# Altium PCB JacdacRp2040HostEc30 123.PcbDoc (part 2 of 2)
Units mm, origin at the board's own origin, x right, y up, seen from the top; angles counter-clockwise.
Board outline 36.5 x 25 mm, 2 copper layers (Top Layer, Bottom Layer), stack 1.525 mm thick; 60 components, 49 nets, 217 pads, 20 vias.
Unrouted connection lines stored in the file: 25.
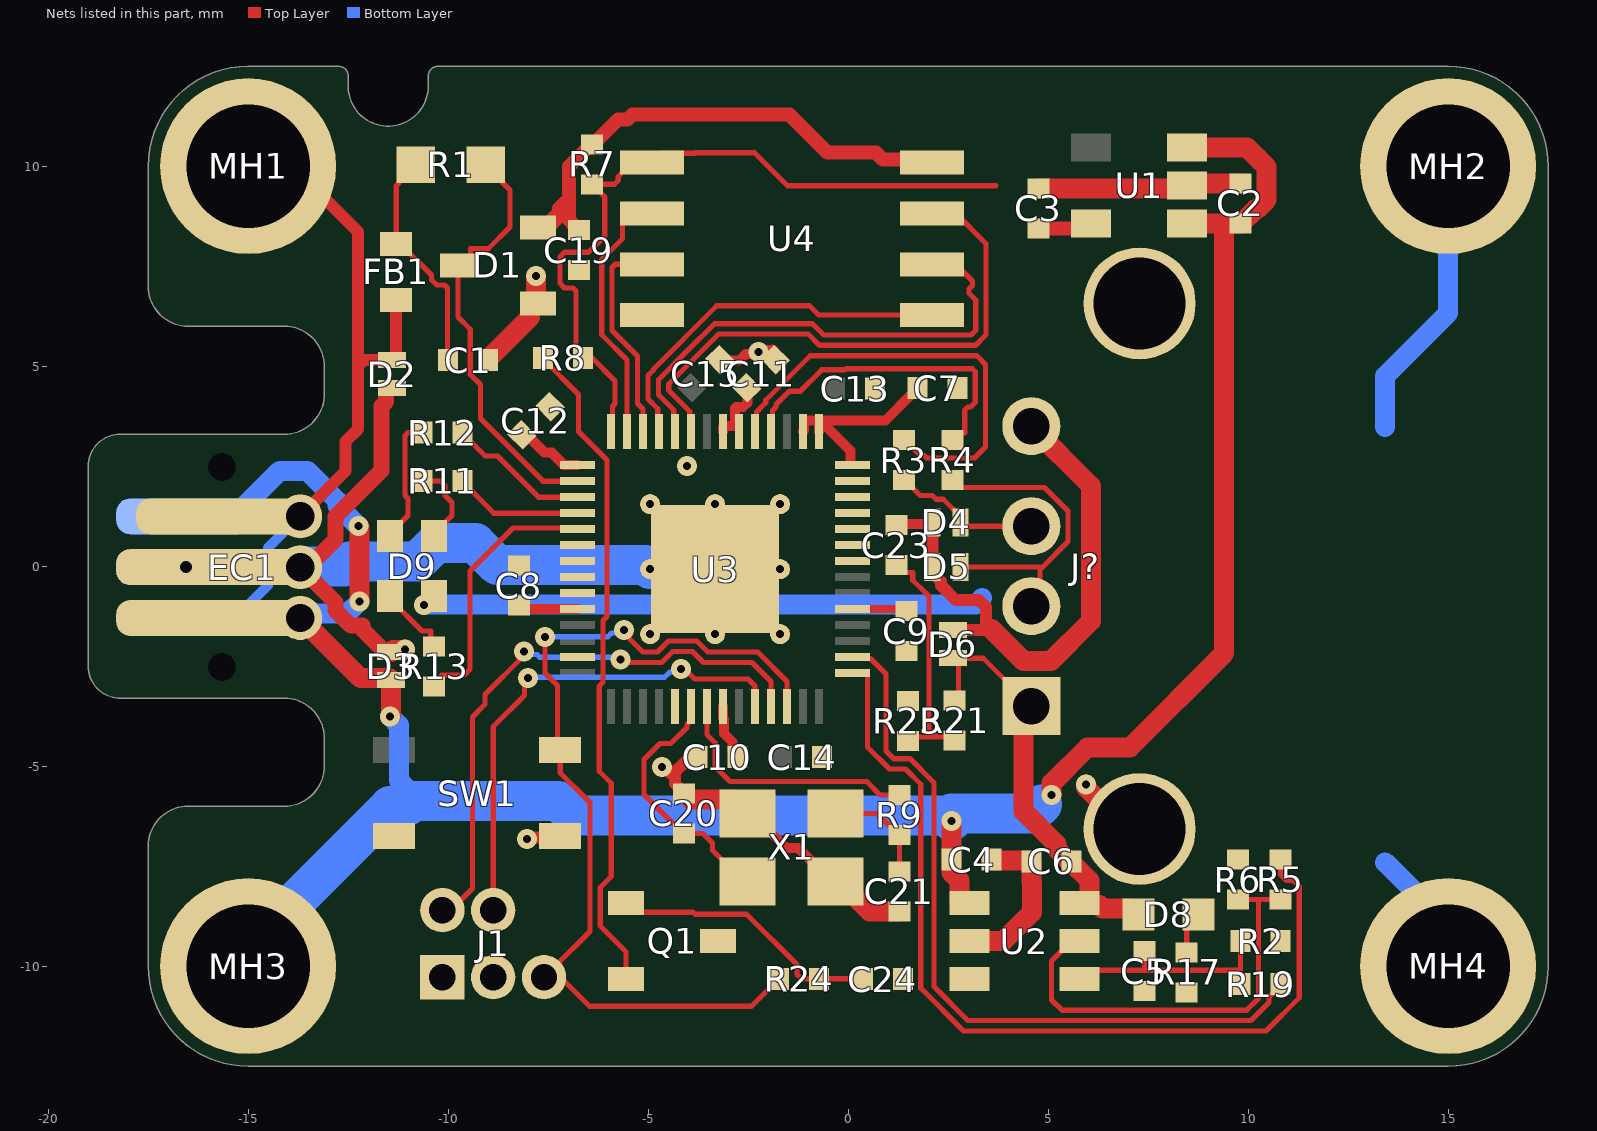
[diagram p2: the nets of this part, all layers, seen from the top]

## Via types
v1: diameter 0.5, hole 0.2, Top Layer to Bottom Layer, 10 vias
v2: diameter 0.5, hole 0.2, Top Layer to Bottom Layer, tented both sides, 9 vias
v3: diameter 0.6, hole 0.3, Top Layer to Bottom Layer, tented both sides, 1 vias

## Nets (pads, with @x,y where several pads share a name; then routed paths per layer and width w, separated by ;. In a path a pad name is that pad's centre, name@x,y a point inside that pad or via, vN(x,y) a via of type N, cw(c..) or ccw(c..) an arc to the next point about the centre after c; other vN are vias at no path point) (continued)
3V3: C3.2 C7.2 C8.2 C9.2 C10.2 C11.2 C12.2 C19.2 D1.2 D9.1 J1.1 R2.1 R7.1 U1.5 U3.1 U3.10 U3.22 U3.33 U3.42 U3.43 U3.44 U3.48 U3.49 U4.8 | length 41.9
  Top Layer w0.2: U3.33@0.109,-1.073 1.4,-1.073 C9.2@1.451,-1.125
  Top Layer w0.25: C8.2@-8.233,-0.982 -8.142,-1.073 U3.10@-6.766,-1.073 ; C12.2@-8.159,3.286 -8.036,3.286 -7.588,2.837 -7.411,2.837 -7.1,2.527 U3.1@-6.766,2.527 ; C19.2@-6.736,8.403 C19.2@-6.736,8.42 ; U3.22@-3.129,-3.511 -3.129,-3.798 -3.104,-3.823 -3.104,-4.185 -2.895,-4.394 -2.895,-4.647 C10.2@-2.77,-4.772 ; U3.49@-3.129,3.364 -3.129,3.481 -3.104,3.506 -2.829,3.506 -2.829,3.952 -2.804,3.977 -2.629,3.977 ; -2.541,4.064 -2.519,4.086 -2.519,4.439 C11.2@-2.537,4.456 ; U3.44@-1.129,3.364 -1.104,3.389 -1.104,3.646 U3.43@-0.728,3.646 ; U3.43@-0.729,3.364 U3.43@-0.729,3.646 ; U3.43@-0.704,3.646 0.931,3.646 1.585,4.3 1.605,4.3 1.73,4.425 C7.2@1.73,4.45 ; U3.42@0.055,2.552 0.055,2.887 -0.657,3.6 -0.682,3.6 U3.43@-0.728,3.646
  Top Layer w0.35: D1.2@-7.756,8.474 D1.2@-7.606,8.474 ; C19.2@-6.736,8.403 -6.761,8.403 -6.836,8.478 -6.836,8.503 -6.983,8.65 -6.983,9.096 ; U4.8@2.092,10.087 2.017,10.162 0.867,10.162 0.692,10.337 -0.514,10.337 -1.474,11.297 -5.388,11.297 -5.513,11.172 -5.753,11.172 -6.378,10.547 -6.428,10.547 -6.983,9.992 -6.983,9.096 ; C3.2@4.753,8.447 5.953,8.447 U1.5@6.07,8.564 ; D1.2@-7.606,8.474 -7.506,8.474 -7.186,8.793 -7.186,8.893 -6.983,9.096 ; D1.2@-7.606,8.474 -7.233,8.846 -7.233,8.948 -7.085,9.096 -6.983,9.096
  Bottom Layer w0.5: v2(-10.607,-0.964) -10.596,-0.953 3.192,-0.953 3.35,-0.795
B\O\O\T\: Q1.2 R8.2 | length 16.8
  Top Layer w0.13: R8.2@-7.635,5.21 -7.635,5.185 -6.742,4.292 -6.742,3.364 -6.034,2.656 -6.034,-1.254 -6.134,-1.354 -6.134,-2.517 -6.134,-2.903 -6.224,-2.993 -6.224,-5.126 -5.924,-5.426 -5.924,-7.76 -6.199,-8.035 -6.199,-8.994 -5.554,-9.639 Q1.2@-5.554,-10.315
GND: C1.1 C2.1 C3.1 C4.1 C5.1 C6.1 C7.1 C8.1 C9.1 C10.1 C11.1 C12.1 C13.1 C14.1 C15.1 C19.1 C20.2 C21.2 C23.1 C24.1 D1.1 D2.2 D3.2 D4.2 D5.2 D6.2 EC1.2 J1.3 J?.4 J?.5 J?.6 MH2.1 MH4.1 Q1.3 R6.1 R17.2 R23.1 SW1.3 SW1.4 U1.2 U2.2 U3.19 U3.57 U4.4 X1.2 X1.4 | length 67.5
  Top Layer w0.25: C15.1@-3.213,5.164 -3.195,5.146 -2.718,5.146 -2.554,5.31 -2.296,5.31 v1(-2.248,5.358) -2.2,5.406 -1.903,5.406 -1.889,5.42 -1.848,5.379 -1.848,5.181 C11.1@-1.83,5.164 ; X1.2@-2.516,-6.18 -2.416,-6.18 -1.546,-7.051 -1.246,-7.051 -0.416,-7.88 X1.4@-0.316,-7.88 ; C23.1@1.205,1.027 1.24,1.061 2.071,1.061 D4.2@2.105,1.095
  Top Layer w0.3: v2(-8.036,-6.817) -8.003,-6.784 -7.233,-6.784 SW1.4@-7.2,-6.751 ; v1(-4.662,-5.018) -4.607,-5.018 -4.461,-5.164 -4.325,-5.164 ; C20.2@-3.932,-5.83 -4.325,-5.437 -4.325,-5.164 ; C10.1@-3.77,-4.772 -3.77,-4.797 -3.87,-4.897 -4.08,-4.897 -4.271,-5.088 -4.283,-5.088 -4.342,-5.147 -4.325,-5.164 ; C9.1@1.451,-2.125 C9.1@1.476,-2.125 ; D4.2@2.105,1.095 D5.2@2.105,-0.016 2.105,-0.167 2.325,-0.387 2.325,-0.482 2.693,-0.85 3.271,-0.85 3.447,-1.026 3.447,-1.433 3.587,-1.573 3.56,-1.6 2.716,-1.6 D6.2@2.616,-1.6
  Top Layer w0.4: D3.2@-11.425,-2.15 -11.575,-2.15 -12.141,-1.584 -12.141,-1.484 -12.436,-1.484 -12.82,-1.1 -12.82,-0.903 EC1.2@-13.7,-0.023 -13.511,-0.023 -12.82,0.667 -12.82,1.24 -11.665,2.396 -11.665,4.002 -11.55,4.117 -11.55,4.45 D2.2@-11.4,4.45
  Top Layer w0.5: D3.2@-11.425,-2.15 -11.375,-2.1 -11.095,-2.1 v2(-11.075,-2.08) ; C1.1@-9.004,5.152 -9.004,5.177 -7.956,6.225 -7.956,6.524 -7.906,6.574 D1.1@-7.756,6.574 -7.806,6.624 v2(-7.806,7.25) ; C20.2@-3.932,-5.83 -2.866,-5.83 X1.2@-2.516,-6.18 ; X1.4@-0.316,-7.88 -0.216,-7.88 0.534,-8.631 C21.2@1.28,-8.631 ; U2.2@3.03,-9.373 3.038,-9.365 3.883,-9.365 4.59,-8.659 4.59,-7.907 4.576,-7.893 4.576,-7.357 3.587,-7.357 C4.1@3.587,-7.333 ; 3.587,-1.573 4.387,-2.373 5.064,-2.373 6.07,-1.367 6.07,2.006 J?.4@4.576,3.5 ; C3.1@4.753,9.447 8.403,9.447 U1.2@8.47,9.514 8.527,9.572 C2.1@9.806,9.572 ; v2(5.945,-5.456) 5.945,-5.53 J?.5@6.35,-5.935
  Bottom Layer w0.5: 13.425,-7.403 15,-8.978 MH4.1@15,-10 ; 13.425,3.485 13.425,4.753 15,6.328 15,8.508 14.254,9.254 MH2.1@15,10
  Bottom Layer w1: EC1.2@-13.7,-0.023 -13.681,-0.004 -12.589,-0.004 -12.464,0.12 -10.767,0.12 -10.31,0.577 -9.321,0.577 -8.771,0.027 -5.054,0.027 U3.57@-4.954,-0.073
  other v3: -16.55,-0.023
GPIO4: U3.6
GPIO5: U3.7
GPIO6: U3.8
GPIO7: U3.9
GPIO10: U3.13
GPIO24: U3.36
GPIO25: U3.37
GPIO26: U3.38
GPIO27: U3.39
GPIO28: U3.40
GPIO29: U3.41
I\L\I\M\_\H\I\: R5.1 U3.29 | length 23
  Top Layer w0.13: U3.29@0.109,-2.673 0.446,-2.673 0.481,-2.708 0.481,-4.524 1.028,-5.071 1.433,-5.071 1.812,-5.449 1.812,-10.548 2.882,-11.618 10.443,-11.618 11.275,-10.786 11.275,-8.002 11.126,-7.854 10.954,-7.854 10.805,-7.705 R5.1@10.805,-7.333
ILIM_EN: R19.2 U3.30 | length 19.1
  Top Layer w0.13: U3.30@0.109,-2.273 0.144,-2.308 0.557,-2.308 0.947,-2.698 0.947,-4.622 1.136,-4.811 1.541,-4.811 2.142,-5.412 2.142,-10.511 2.989,-11.358 10.07,-11.358 10.518,-10.911 10.518,-10.767 10.813,-10.472 R19.2@10.813,-10.447
JD_DATA: D2.1 EC1.1 FB1.1 MH1.1 | length 20.9
  Top Layer w0.3: EC1.1@-15.65,1.247 EC1.1@-13.7,1.247 -12.57,2.376 -12.57,3.11 -12.25,3.43 -12.25,4.325 ; MH1.1@-15,10 -13.15,10 -13.15,9.256 -12.25,8.356 -12.25,5.15 -12.25,4.325 ; FB1.1@-11.3,6.658 -11.3,5.2 -11.35,5.15 D2.1@-11.4,5.15 -12.116,5.15 -12.25,5.016 -12.25,4.325
  Bottom Layer w0.25: EC1.1@-16.325,-1.27 -15.3,-1.27 -14.511,-0.481 -14.511,0.459 EC1.1@-13.7,1.27
JD_DATA_MCU/ICPDA: D1.3 R1.2 U3.2 | length 10.8
  Top Layer w0.13: R1.2@-9.059,10.035 -9.033,10.035 -8.641,9.642 -8.641,9.592 -8.457,9.409 -8.457,8.477 -9.011,7.924 -9.026,7.939 -9.441,7.939 -9.441,7.739 -9.656,7.524 D1.3@-9.756,7.524 -9.756,6.231 -9.449,5.924 -9.449,4.796 -9.193,4.54 -9.193,3.689 -7.63,2.127 U3.2@-6.766,2.127
JD_PWR: C2.2 C4.2 D3.1 EC1.3 MH3.1 U1.1 U1.3 U2.1 | length 61.8
  Top Layer w0.5: v2(-12.24,1) -12.22,0.98 v2(-12.22,-0.88) ; v2(-11.45,-3.759) -11.425,-3.734 D3.1@-11.425,-2.85 -11.475,-2.8 -12.193,-2.8 EC1.3@-13.7,-1.293 ; v1(2.587,-6.369) 2.587,-7.66 2.78,-7.853 2.78,-8.373 2.83,-8.423 U2.1@3.03,-8.423 ; v1(5.085,-5.715) 5.085,-5.426 5.981,-4.53 7.043,-4.53 9.4,-2.173 9.4,8.564 ; U1.1@8.47,8.564 9.4,8.564 ; U1.3@8.47,10.464 9.974,10.464 10.236,10.202 10.239,10.202 10.461,9.979 10.461,9.164 10.222,8.925 10.185,8.925 9.831,8.572 C2.2@9.806,8.572 9.781,8.572 9.774,8.564 9.4,8.564 ; EC1.3@-13.7,-1.293 -13.7,-1.27 -13.625,-1.27 -13.648,-1.293 EC1.3@-13.7,-1.293
  Bottom Layer w0.5: EC1.3@-16.6,1.247 -15.35,1.247 -14.212,2.385 -13.523,2.385 -12.77,1.632 -12.77,1.52 -12.25,1 v2(-12.24,1) ; EC1.3@-13.7,-1.293 -13.585,-1.179 -12.519,-1.179 v2(-12.22,-0.88) ; v2(-11.45,-3.759) -11.235,-3.974 -11.235,-5.353 -11.02,-5.568 ; 4.847,-5.953 v1(5.085,-5.715)
  Bottom Layer w1: MH3.1@-15,-10 -15,-9.549 -11.451,-6 -11.02,-6 -10.883,-5.864 -7.249,-5.864 -6.88,-6.233 2.45,-6.233 v1(2.587,-6.369) ; v1@2.587,-6.18 4.62,-6.18 4.847,-5.953
JD_RGB_B: R11.2 U3.4 | length 3.2
  Top Layer w0.13: R11.2@-9.638,2.128 -9.638,2.103 -8.862,1.327 U3.4@-6.766,1.327
JD_RGB_G: R12.2 U3.3 | length 3.6
  Top Layer w0.13: R12.2@-9.638,3.34 -9.638,3.315 -9.076,2.754 -8.767,2.754 -7.74,1.727 U3.3@-6.766,1.727
  other v2: -4.034,2.5
JD_RGB_R: R13.2 U3.5 | length 6.7
  Top Layer w0.13: R13.2@-10.35,-3.001 -10.165,-2.816 -10.165,-2.716 -9.597,-2.716 -9.456,-2.575 -9.456,-0.116 -8.38,0.959 -6.798,0.959 U3.5@-6.766,0.927
MCU_QSPI_SCLK: U3.52 U4.6 | length 12.7
  Top Layer w0.13: U3.52@-4.329,3.364 -4.364,3.399 -4.364,3.903 -4.746,4.286 -4.746,4.663 -4.039,5.37 -3.346,6.063 -0.892,6.063 -0.611,5.782 3.073,5.782 3.187,5.896 3.187,6.658 3.021,6.823 3.021,6.931 3.111,7.02 3.111,7.128 2.692,7.547 2.192,7.547 U4.6@2.092,7.547
MCU_QSPI_SD0: U3.53 U4.5 | length 9.4
  Top Layer w0.13: U3.53@-4.729,3.364 -4.764,3.399 -4.764,3.935 -5.006,4.178 -5.006,4.77 -4.876,4.901 -4.876,4.92 -3.286,6.51 -0.971,6.51 -0.739,6.277 U4.5@2.092,6.277
MCU_QSPI_SD1: U3.55 U4.2 | length 6.5
  Top Layer w0.13: U3.55@-5.529,3.364 -5.529,5.154 -6.163,5.788 -6.163,7.668 -5.643,8.188 -5.643,8.582 -5.408,8.817 U4.2@-4.908,8.817
MCU_QSPI_SD2: U3.54 U4.3 | length 5.5
  Top Layer w0.13: U3.54@-5.129,3.364 -5.129,3.933 -5.266,4.07 -5.266,5.259 -5.903,5.896 -5.903,7.471 -5.827,7.547 U4.3@-4.908,7.547
MCU_QSPI_SD3: U3.51 U4.7 | length 14
  Top Layer w0.13: U3.51@-3.929,3.364 -3.964,3.399 -3.964,3.871 -4.226,4.133 -4.486,4.393 -4.486,4.555 -4.018,5.023 -3.779,5.262 -3.238,5.803 -1,5.803 -0.719,5.522 3.18,5.522 3.447,5.788 3.447,8.062 2.692,8.817 2.192,8.817 U4.7@2.092,8.817
MCU_QSPI_SS: R7.2 R8.1 U3.56 U4.1 | length 19
  Top Layer w0.13: R8.1@-6.635,5.21 R8.1@-6.405,5.21 ; R7.2@-6.403,9.547 R7.2@-6.378,9.547 ; U3.56@-5.929,3.364 -5.894,3.399 -5.894,3.997 -5.829,4.062 -5.829,4.634 R8.1@-6.405,5.21 ; 3.687,9.51 -1.517,9.51 -2.344,10.337 -3.808,10.337 -3.823,10.322 -4.673,10.322 U4.1@-4.908,10.087 -5.408,10.087 -5.75,9.745 -5.75,9.645 -5.848,9.547 R7.2@-6.378,9.547 ; R8.1@-6.405,5.21 -6.553,5.358 -6.744,5.358 -6.806,5.42 -6.806,6.882 -6.882,6.958 -7.092,6.958 -7.206,7.072 -7.206,7.734 -7.092,7.848 -6.491,7.848 -6.084,8.254 -6.084,9.228 -6.193,9.337 -6.193,9.362 R7.2@-6.378,9.547
MCU_USB_D_N: R4.1 U3.46 | length 8.2
  Top Layer w0.13: U3.46@-1.929,3.364 -1.894,3.399 -1.894,3.891 -1.804,3.981 -1.804,4.04 -1.467,4.377 -1.193,4.377 -0.659,4.91 -0.084,4.91 -0.056,4.937 3.099,4.937 3.175,4.861 3.175,4.094 3.061,3.98 2.991,3.98 2.915,3.904 2.915,3.337 2.79,3.337 R4.1@2.605,3.152
MCU_USB_D_P: R3.1 U3.47 | length 11.3
  Top Layer w0.13: U3.47@-2.329,3.364 -2.294,3.399 -2.294,3.859 -2.064,4.089 -2.064,4.147 -0.949,5.262 3.218,5.262 3.435,5.045 3.435,2.982 3.161,2.707 1.962,2.707 1.901,2.768 1.801,2.768 1.417,3.152 R3.1@1.392,3.152
NetC1_2: C1.2 FB1.2 R1.1 | length 5.8
  Top Layer w0.13: R1.1@-10.811,10.035 -10.837,10.035 -11.229,9.642 -11.229,9.581 -11.3,9.51 FB1.2@-11.3,8.058 -11.2,8.058 -10.419,7.277 -10.419,7.162 -10.287,7.029 -10.092,7.029 -10.016,6.953 -10.016,5.164 C1.2@-10.004,5.152
NetC5_2: C5.2 R2.2 R19.1 U2.3 U2.4 | length 5.6
  Top Layer w0.13: U2.4@5.78,-10.323 6.003,-10.1 7.407,-10.1 ; C5.2@7.407,-9.623 7.407,-10.1 ; 9.758,-10.1 7.407,-10.1 ; R19.1@9.813,-10.447 9.805,-10.439 9.805,-9.381 R2.2@9.813,-9.373
NetC21_1: C21.1 R9.1 X1.1 | length 2.7
  Top Layer w0.13: X1.1@-0.316,-6.18 0.717,-6.18 1.255,-6.719 R9.1@1.28,-6.719 C21.1@1.28,-7.631
NetC24_2: C24.2 Q1.1 R24.2 | length 6.9
  Top Layer w0.13: Q1.1@-5.554,-8.415 -5.319,-8.65 -3.881,-8.65 -3.829,-8.702 -2.541,-8.702 -1.284,-9.96 -1.284,-10.205 -1.174,-10.315 R24.2@-0.729,-10.315 0.359,-10.315 C24.2@0.367,-10.323
NetD8_1: D8.1 R17.1 | length 1.1
  Top Layer w0.13: R17.1@8.462,-9.653 8.462,-8.996 D8.1@8.757,-8.702
NetD9_2: D9.2 R13.1 | length 1.8
  Top Layer w0.13: D9.2@-11.45,-0.75 -11.45,-0.825 -10.659,-1.616 -10.435,-1.616 -10.435,-1.916 R13.1@-10.35,-2.001
NetD9_3: D9.3 R12.1 | length 3.2
  Top Layer w0.13: D9.3@-11.45,0.75 -11.45,0.825 -11.006,1.269 -11.006,1.695 -11.083,1.772 -11.083,3.264 -11.006,3.34 R12.1@-10.638,3.34
NetD9_4: D9.4 R11.1 | length 2.1
  Top Layer w0.13: R11.1@-10.638,2.128 -10.193,2.128 -10.083,2.018 -10.083,1.772 -9.906,1.595 -9.906,1.269 -10.35,0.825 D9.4@-10.35,0.75
NetR5_2: R5.2 R6.2 U2.5 | length 10.8
  Top Layer w0.13: U2.5@5.78,-9.373 5.58,-9.373 5.085,-9.868 5.085,-10.841 5.342,-11.098 9.963,-11.098 10.258,-10.803 10.258,-8.333 ; R6.2@9.743,-8.333 10.258,-8.333 ; R5.2@10.805,-8.333 10.258,-8.333
R\E\S\E\T\: J1.5 R24.1 SW1.2 U3.26 | length 23.3
  Top Layer w0.13: J1.5@-7.605,-10.275 -7.505,-10.275 -7.349,-10.119 -7.349,-10.019 -6.459,-9.129 -6.459,-5.91 -7.2,-5.168 SW1.2@-7.2,-4.601 -7.27,-4.53 -7.27,-2.982 -7.584,-2.669 v1(-7.584,-1.774) ; J1.5@-7.324,-10.143 -6.465,-11.003 -2.416,-11.003 R24.1@-1.729,-10.315 ; v1@-5.52,-1.62 -5.52,-1.762 -5.138,-2.143 -4.769,-2.143 -4.494,-1.868 -3.788,-1.868 -3.513,-2.143 -2.264,-2.143 -1.529,-2.878 U3.26@-1.529,-3.511
  Bottom Layer w0.13: v1(-7.584,-1.774) -7.573,-1.763 -6.01,-1.763 -5.917,-1.671 -5.571,-1.671 v1@-5.5,-1.6
  other v1: -5.6,-1.6
SWCLK: J1.4 U3.24 | length 12.6
  Top Layer w0.13: J1.4@-8.875,-8.599 -8.875,-4.007 -8.096,-3.228 -8.096,-3.012 -8.08,-2.997 -8.08,-2.87 v1(-8.009,-2.799) ; v1(-4.181,-2.573) -4.081,-2.573 -3.836,-2.818 -2.508,-2.818 -2.334,-2.993 -2.334,-3.506 U3.24@-2.329,-3.511
  Bottom Layer w0.13: v1(-8.009,-2.799) -7.987,-2.778 -4.591,-2.778 -4.457,-2.644 -4.251,-2.644 v1(-4.181,-2.573)
SWDIO: J1.2 U3.25 | length 14.9
  Top Layer w0.13: J1.2@-10.145,-8.599 -10.145,-8.699 -10.036,-8.699 -9.395,-8.058 -9.395,-3.766 -9.079,-3.45 -9.079,-3.206 -8.111,-2.237 v1(-8.111,-2.137) ; v1(-5.689,-2.333) -5.588,-2.333 -5.518,-2.403 -4.662,-2.403 -4.387,-2.128 -3.896,-2.128 -3.621,-2.403 -2.404,-2.403 -1.929,-2.878 U3.25@-1.929,-3.511
  Bottom Layer w0.13: v1(-8.111,-2.137) -8.04,-2.208 -7.778,-2.208 -7.713,-2.273 -5.748,-2.273 v1(-5.689,-2.333)
USB_D_N: D5.1 J?.2 R4.2 | length 8
  Top Layer w0.13: R4.2@2.605,2.152 2.79,1.967 4.91,1.967 5.497,1.381 5.497,0.619 4.861,-0.016 ; D5.1@2.805,-0.016 4.798,-0.016 4.861,-0.016 ; J?.2@4.576,-1 4.798,-0.779 4.798,-0.08 4.861,-0.016
USB_D_P: D4.1 J?.3 R3.2 | length 3.7
  Top Layer w0.13: R3.2@1.392,2.152 1.417,2.152 1.801,1.768 2.101,1.768 2.195,1.674 2.376,1.674 2.805,1.245 D4.1@2.805,1.095 2.9,1 J?.3@4.576,1
VUSB: C6.2 D6.1 D8.2 J?.1 R21.2 U2.6 | length 11.1
  Top Layer w0.13: D6.1@2.616,-2.3 D6.1@2.716,-2.3 ; R21.2@2.66,-3.353 2.76,-3.253 2.76,-2.344 D6.1@2.716,-2.3 ; J?.1@4.576,-3.5 3.376,-2.3 D6.1@2.716,-2.3
  Top Layer w0.5: J?.1@4.576,-3.5 4.387,-3.689 4.387,-6.129 5.206,-6.948 5.206,-7.062 5.499,-7.355 5.576,-7.355 5.576,-7.405 6.03,-7.859 6.03,-8.373 5.98,-8.423 U2.6@5.78,-8.423 5.83,-8.473 6.28,-8.473 6.359,-8.552 7.107,-8.552 D8.2@7.257,-8.702
VUSB_DET: C23.2 R21.1 R23.2 | length 6.1
  Top Layer w0.13: C23.2@1.205,0.027 1.39,-0.158 1.615,-0.158 1.615,-0.353 1.936,-0.673 1.941,-0.673 2.017,-0.75 2.017,-4.063 2.219,-4.266 ; R23.2@1.492,-4.366 1.592,-4.266 2.171,-4.266 2.219,-4.266 ; R21.1@2.66,-4.353 2.573,-4.266 2.219,-4.266
XIN: C20.1 U3.20 X1.3 | length 6.4
  Top Layer w0.13: U3.20@-3.929,-3.511 -3.929,-3.848 -4.034,-3.953 -4.034,-4.029 -4.436,-4.431 -4.704,-4.431 -5.107,-4.833 -5.107,-5.706 -4.132,-6.68 C20.1@-4.107,-6.68 -3.637,-6.68 -3.394,-6.923 -3.394,-7.102 -2.616,-7.88 X1.3@-2.516,-7.88
XOUT: R9.2 U3.21 | length 6.5
  Top Layer w0.13: U3.21@-3.529,-3.511 -3.529,-4.212 -3.325,-4.416 -3.325,-5.018 -2.957,-5.385 0.464,-5.385 0.798,-5.719 R9.2@1.28,-5.719
pads on no net: EC1. SW1.1 U1.4 U3.11 U3.12 U3.14 U3.15 U3.16 U3.17 U3.18 U3.27 U3.28 U3.31 U3.32 U3.34 U3.35

## Polygon pours and split planes (outlines as drawn)
no net on Bottom Assy "NONET_L-01_P-001" (hatched 45Degree grid 0.15 track 0.01): -17.5,8.342 ccw(c-15,10) -13.342,12.5 -15,12.5 ccw(c-15,10) -17.5,10
no net on Bottom Assy "NONET_L-01_P-001" (hatched 45Degree grid 0.15 track 0.01): -14.3,-2.868 -18.2,-2.868 cw(c-18.2,-2.468) -18.6,-2.468 -18.6,-2.466 -18.6,2.477 -18.6,2.474 cw(c-18.2,2.474) -18.2,2.874 -18.198,2.874 -14.3,2.874
no net on Bottom Assy "NONET_L-01_P-001" (hatched 45Degree grid 0.15 track 0.01): -17.5,-8.342 cw(c-15,-10) -13.342,-12.5 -15,-12.5 cw(c-15,-10) -17.5,-10
no net on Bottom Assy "NONET_L-01_P-001" (hatched 45Degree grid 0.15 track 0.01): 17.5,-8.342 ccw(c15,-10) 13.342,-12.5 15,-12.5 ccw(c15,-10) 17.5,-10
no net on Bottom Assy "NONET_L-01_P-001" (hatched 45Degree grid 0.15 track 0.01): 17.5,8.342 cw(c15,10) 13.342,12.5 15,12.5 cw(c15,10) 17.5,10
no net on Bottom Assy "NONET_L-01_P-001" (hatched 45Degree grid 0.3 track 0.01): -11.5,11 ccw(c-11.5,12) -10.5,12 -10.5,12.25 cw(c-10.25,12.25) -10.25,12.5 15,12.5 cw(c15,10) 17.5,10 17.5,7.551 cw(c15,10) 11.646,11
no net on Bottom Assy "NONET_L-01_P-001" (hatched 45Degree grid 0.3 track 0.01): -17.5,-10 -17.5,-7.018 -17.5,-7 cw(c-16.5,-7) -16.5,-6 -14.1,-6 ccw(c-14.1,-5) -13.1,-5 -13.1,-4.3 ccw(c-14.1,-4.3) -14.1,-3.3 -18.2,-3.3 cw(c-18.2,-2.5) -19,-2.5 -19,2.5 cw(c-18.2,2.5) -18.2,3.3 -14.1,3.3 ccw(c-14.1,4.3) -13.1,4.3 -13.1,5 ccw(c-14.1,5) -14.1,6 -16.5,6 cw(c-16.5,7) -17.5,7 -17.5,7.003 -17.5,10 cw(c-15,10) -15,12.5 -12.729,12.5 -12.75,12.5 cw(c-12.75,12.25) -12.5,12.25 -12.5,12 ccw(c-11.5,12) -11.656,11.012 -11.65,11.015 cw(c-15,10) -12,8.197 -12,-8.197 cw(c-15,-10) -11.646,-11 11.646,-11 cw(c15,-10) 17.5,-7.551 17.5,-10 cw(c15,-10) 15,-12.5 -12.729,-12.5 -15,-12.5 cw(c-15,-10)
GND on Bottom Layer "NONET_L-01_P-001" (solid, shelved, pour order 0): -17.5,-10 -17.5,-6.97 -17.5,-7 cw(c-16.5,-7) -16.5,-6 -14.1,-6 ccw(c-14.1,-5) -13.1,-5 -13.1,-4.3 ccw(c-14.1,-4.3) -14.1,-3.3 -18.2,-3.3 cw(c-18.2,-2.5) -19,-2.5 -19,2.5 cw(c-18.2,2.5) -18.2,3.3 -14.1,3.3 -14.098,3.3 ccw(c-14.098,4.3) -13.098,4.3 -13.1,4.3 -13.1,5 ccw(c-14.1,5) -14.1,6 -16.5,6 cw(c-16.5,7) -17.5,7 -17.5,6.97 -17.5,10 cw(c-15,10) -15,12.5 -12.75,12.5 cw(c-12.75,12.25) -12.5,12.25 -12.5,12 ccw(c-11.5,12) -10.5,12 -10.5,12.25 cw(c-10.25,12.25) -10.25,12.5 15,12.5 cw(c15,10) 17.5,10 17.5,-10 cw(c15,-10) 15,-12.5 -15,-12.5 cw(c-15,-10)

## Other copper
Top Layer:
  region net JD_DATA: -17.215,7.8 -14.9,7.8 -12.8,9.9 -12.8,12.216 -14.984,12.216 -17.215,9.985

## Silkscreen, mask and mechanical layers (free items; w line width, h text height)
Top Overlay:
  lines w0.1: -14.374,-6.607 cw(c-15,-10) -13.399,-6.944 ccw(c-13.206,-7.72) -14.003,-7.653 ; -14.374,6.607 ccw(c-15,10) -13.399,6.944 cw(c-13.206,7.72) -14.003,7.653 ; -14.352,-6.612 ccw(c-14.446,-7.052) -14.539,-7.492 cw(c-15,-10) -14.027,-7.643 ; -14.352,6.612 cw(c-14.446,7.052) -14.539,7.492 ccw(c-15,10) -14.027,7.643 ; -12.653,-9.003 ccw(c-12.72,-8.206) -11.944,-8.399 cw(c-15,-10) -11.607,-9.374 ; -12.653,9.003 cw(c-12.72,8.206) -11.944,8.399 ccw(c-15,10) -11.607,9.374 ; -12.643,-9.027 cw(c-15,-10) -12.492,-9.539 ccw(c-12.052,-9.446) -11.612,-9.352 ; -12.643,9.027 ccw(c-15,10) -12.492,9.539 cw(c-12.052,9.446) -11.612,9.352 ; 11.607,-9.374 cw(c15,-10) 11.944,-8.399 ccw(c12.72,-8.206) 12.653,-9.003 ; 11.607,9.374 ccw(c15,10) 11.944,8.399 cw(c12.72,8.206) 12.653,9.003 ; 11.612,-9.352 ccw(c12.052,-9.446) 12.492,-9.539 ; 11.612,9.352 cw(c12.052,9.446) 12.492,9.539 ; 12.492,-9.539 cw(c15,-10) 12.643,-9.027 ; 12.492,9.539 ccw(c15,10) 12.643,9.027 ; 14.003,-7.653 ccw(c13.206,-7.72) 13.4,-6.944 cw(c15,-10) 14.374,-6.607 ; 14.003,7.653 cw(c13.206,7.72) 13.4,6.944 ccw(c15,10) 14.374,6.607 ; 14.027,-7.643 cw(c15,-10) 14.539,-7.492 ; 14.027,7.643 ccw(c15,10) 14.539,7.492 ; 14.352,-6.612 cw(c14.446,-7.052) 14.54,-7.492 ; 14.352,6.612 ccw(c14.446,7.052) 14.54,7.492
  lines w0.2: -13.352,7.884 -13.366,7.484 ; -12.973,7.408 -13.366,7.484 ; -12.883,8.345 -12.484,8.366 ; -12.401,7.975 -12.484,8.366 ; -13.366,7.484 ccw(c-15,10) -12.484,8.366
  lines w0.33: -14.1,-7.445 cw(c-13.759,-7.302) -13.685,-6.94 ; -14.1,7.445 ccw(c-13.759,7.302) -13.685,6.94 ; -12.445,-9.1 ccw(c-12.302,-8.759) -11.94,-8.685 ; -12.445,9.1 cw(c-12.302,8.759) -11.94,8.685 ; 11.94,-8.685 ccw(c12.302,-8.759) 12.445,-9.1 ; 11.94,8.685 cw(c12.302,8.759) 12.445,9.1 ; 13.685,-6.94 cw(c13.759,-7.302) 14.1,-7.445 ; 13.685,6.94 ccw(c13.759,7.302) 14.1,7.445
  lines w1: -14.43,-7.055 cw(c-15,-10) -14.285,-7.086 ; -14.43,7.055 ccw(c-15,10) -14.285,7.086 ; -12.086,-9.285 cw(c-15,-10) -12.055,-9.43 ; -12.086,9.285 ccw(c-15,10) -12.055,9.43 ; 12.055,-9.43 cw(c15,-10) 12.086,-9.285 ; 12.055,9.43 ccw(c15,10) 12.086,9.285 ; 14.285,-7.086 cw(c15,-10) 14.43,-7.055 ; 14.285,7.086 ccw(c15,10) 14.43,7.055
  text "MSR" at -1.302,11.2 h1
  text "-" at 13.643,8.146 h3.5 r135
  text "R" at -12.78,-6.274 h1.2
  text "-" at 13.146,-8.643 h3.5 r45
  text "+" at -12.95,-8.67 h2.8 r315
  text "RP2040 USB host" at -6.187,-12.2 h1
Bottom Overlay:
  lines w0.1: -14.374,-6.607 cw(c-15,-10) -13.399,-6.944 ccw(c-13.206,-7.72) -14.003,-7.653 ; -14.374,6.607 ccw(c-15,10) -13.399,6.944 cw(c-13.206,7.72) -14.003,7.653 ; -14.352,-6.612 ccw(c-14.446,-7.052) -14.539,-7.492 cw(c-15,-10) -14.027,-7.643 ; -14.352,6.612 cw(c-14.446,7.052) -14.539,7.492 ccw(c-15,10) -14.027,7.643 ; -12.653,-9.003 ccw(c-12.72,-8.206) -11.944,-8.399 cw(c-15,-10) -11.607,-9.374 ; -12.653,9.003 cw(c-12.72,8.206) -11.944,8.399 ccw(c-15,10) -11.607,9.374 ; -12.643,-9.027 cw(c-15,-10) -12.492,-9.539 ccw(c-12.052,-9.446) -11.612,-9.352 ; -12.643,9.027 ccw(c-15,10) -12.492,9.539 cw(c-12.052,9.446) -11.612,9.352 ; 11.607,-9.374 cw(c15,-10) 11.944,-8.399 ccw(c12.72,-8.206) 12.653,-9.003 ; 11.607,9.374 ccw(c15,10) 11.944,8.399 cw(c12.72,8.206) 12.653,9.003 ; 11.612,-9.352 ccw(c12.052,-9.446) 12.492,-9.539 ; 11.612,9.352 cw(c12.052,9.446) 12.492,9.539 ; 12.492,-9.539 cw(c15,-10) 12.643,-9.027 ; 12.492,9.539 ccw(c15,10) 12.643,9.027 ; 14.003,-7.653 ccw(c13.206,-7.72) 13.4,-6.944 cw(c15,-10) 14.374,-6.607 ; 14.003,7.653 cw(c13.206,7.72) 13.4,6.944 ccw(c15,10) 14.374,6.607 ; 14.027,-7.643 cw(c15,-10) 14.539,-7.492 ; 14.027,7.643 ccw(c15,10) 14.539,7.492 ; 14.352,-6.612 cw(c14.446,-7.052) 14.54,-7.492 ; 14.352,6.612 ccw(c14.446,7.052) 14.54,7.492
  lines w0.2: -13.352,7.884 -13.366,7.484 ; -12.973,7.408 -13.366,7.484 ; -12.883,8.345 -12.484,8.366 ; -12.401,7.975 -12.484,8.366 ; -13.366,7.484 ccw(c-15,10) -12.484,8.366
  lines w0.33: -14.1,-7.445 cw(c-13.759,-7.302) -13.685,-6.94 ; -14.1,7.445 ccw(c-13.759,7.302) -13.685,6.94 ; -12.445,-9.1 ccw(c-12.302,-8.759) -11.94,-8.685 ; -12.445,9.1 cw(c-12.302,8.759) -11.94,8.685 ; 11.94,-8.685 ccw(c12.302,-8.759) 12.445,-9.1 ; 11.94,8.685 cw(c12.302,8.759) 12.445,9.1 ; 13.685,-6.94 cw(c13.759,-7.302) 14.1,-7.445 ; 13.685,6.94 ccw(c13.759,7.302) 14.1,7.445
  lines w1: -14.43,-7.055 cw(c-15,-10) -14.285,-7.086 ; -14.43,7.055 ccw(c-15,10) -14.285,7.086 ; -12.086,-9.285 cw(c-15,-10) -12.055,-9.43 ; -12.086,9.285 ccw(c-15,10) -12.055,9.43 ; 12.055,-9.43 cw(c15,-10) 12.086,-9.285 ; 12.055,9.43 ccw(c15,10) 12.086,9.285 ; 14.285,-7.086 cw(c15,-10) 14.43,-7.055 ; 14.285,7.086 ccw(c15,10) 14.43,7.055
  text "-" at 13.643,8.146 h3.5 r135
  text "'.ProjectCodenameID' V'.ProjectRevision'" at -5.148,-7.224 h1.1
  text "-" at 13.146,-8.643 h3.5 r45
  text "+" at -12.95,-8.67 h2.8 r315
Board Outline:
  lines w0.13: -19,-2.5 -19,2.5 ; -18.2,-3.3 -14.1,-3.3 ; -18.2,3.3 -14.1,3.3 ; -17.5,-10 -17.5,-6.97 ; -17.5,6.97 -17.5,10 ; -16.5,-6 -14.1,-6 ; -16.5,6 -14.1,6 ; -15,-12.5 15,-12.5 ; -15,12.5 -12.75,12.5 ; -13.1,-5 -13.1,-4.3 ; -13.1,5 -13.1,4.3 ; -12.5,12 -12.5,12.25 ; -10.5,12 -10.5,12.25 ; -10.25,12.5 15,12.5 ; 17.5,-10 17.5,10
  lines w0.2: -19,-2.5 ccw(c-18.2,-2.5) -18.2,-3.3 ; -19,2.5 cw(c-18.2,2.5) -18.2,3.3 ; -17.5,-10 ccw(c-15,-10) -15,-12.5 ; -17.5,-7 cw(c-16.5,-7) -16.5,-6 ; -17.5,7 ccw(c-16.5,7) -16.5,6 ; -17.5,10 cw(c-15,10) -15,12.5 ; -14.1,-6 ccw(c-14.1,-5) -13.1,-5 ; -14.1,-3.3 cw(c-14.1,-4.3) -13.1,-4.3 ; -14.1,6 cw(c-14.1,5) -13.1,5 ; -14.098,3.3 ccw(c-14.098,4.3) -13.098,4.3 ; -12.75,12.5 cw(c-12.75,12.25) -12.5,12.25 ; -12.5,12 ccw(c-11.5,12) -10.5,12 ; -10.5,12.25 cw(c-10.25,12.25) -10.25,12.5 ; 15,-12.5 ccw(c15,-10) 17.5,-10 ; 15,12.5 cw(c15,10) 17.5,10
Component Keepout Dwg:
  lines w0.01: -17.5,-7 cw(c-16.5,-7) -16.5,-6 -14.1,-6 ccw(c-14.1,-5) -13.1,-5 -13.1,-4.3 ccw(c-14.1,-4.3) -14.1,-3.3 -18.2,-3.3 cw(c-18.2,-2.5) -19,-2.5 -19,2.5 cw(c-18.2,2.5) -18.2,3.3 -14.1,3.3 ccw(c-14.1,4.3) -13.1,4.3 -13.1,5 ccw(c-14.1,5) -14.1,6 -16.5,6 cw(c-16.5,7) -17.5,7
  lines w0.025: -17.5,-7.018 -17.5,-10 ccw(c-15,-10) -15,-12.5 -12.729,-12.5 15,-12.5 ccw(c15,-10) 17.5,-10 17.5,-7.551 ccw(c15,-10) 11.646,-11 -11.646,-11 ccw(c-15,-10) -12,-8.197 -12,8.197 ccw(c-15,10) -11.65,11.015 ; -17.5,7.003 -17.5,10 cw(c-15,10) -15,12.5 -12.729,12.5 ; -12.75,12.5 cw(c-12.75,12.25) -12.5,12.25 -12.5,12 ccw(c-11.5,12) -11.656,11.012 ; -11.5,11 ccw(c-11.5,12) -10.5,12 -10.5,12.25 cw(c-10.25,12.25) -10.25,12.5 15,12.5 cw(c15,10) 17.5,10 17.5,7.551 cw(c15,10) 11.646,11 -11.5,11
Routing Keepout Dwg:
  lines w0.01: -18.6,-2.468 ccw(c-18.2,-2.468) -18.2,-2.868 -14.25,-2.868 ; -18.6,-2.466 -18.6,2.477 ; -18.6,2.474 cw(c-18.2,2.474) -18.2,2.874 ; -18.198,2.874 -14.25,2.874 ; -17.5,-8.342 -17.5,-6.974 ; -17.5,-7 cw(c-16.5,-7) -16.5,-6 -14.1,-6 ccw(c-14.1,-5) -13.1,-5 -13.1,-4.3 ccw(c-14.1,-4.3) -14.1,-3.3 -18.2,-3.3 cw(c-18.2,-2.5) -19,-2.5 -19,2.5 cw(c-18.2,2.5) -18.2,3.3 -14.1,3.3 ccw(c-14.1,4.3) -13.1,4.3 -13.1,5 ccw(c-14.1,5) -14.1,6 -16.5,6 cw(c-16.5,7) -17.5,7 ; -17.5,6.974 -17.5,8.342 ; -14.3,-2.868 -14.3,2.874 ; 17.5,-10 17.5,8.342
  lines w0.025: -17.5,-8.342 -17.5,-10 ccw(c-15,-10) -15,-12.5 -13.342,-12.5 -12.729,-12.5 13.341,-12.5 15,-12.5 ccw(c15,-10) 17.5,-10 ; -12.75,12.5 cw(c-12.75,12.25) -12.5,12.25 -12.5,12 ccw(c-11.5,12) -11.656,11.012 ; -12.729,12.5 -13.342,12.5 ; -12.172,11 ccw(c-15,10) -13.342,12.5 ; -11.5,11 ccw(c-11.5,12) -10.5,12 -10.5,12.25 cw(c-10.25,12.25) -10.25,12.5 13.342,12.5 15,12.5 cw(c15,10) 17.5,10 17.5,8.342 ; -13.342,12.5 cw(c-15,10) -17.5,8.342 -17.5,10 cw(c-15,10) -15,12.5 -13.342,12.5

## Text inside footprints (layer, text, board x,y; h text height)
EC1: Mechanical 9 "Jacdac / cable connector  / body" at -23.158,-4.845 h1.7 r90
J?: Alignment "PCB Edge" at 16.791,1.898 h0.51 r270
R7: Top Assy "DNF" at -6.754,10.899 h0.7 r270